# Altium PCB UPS.PcbDoc (part 2 of 2)
Units mm, origin at the board's own origin, x right, y up, seen from the top; angles counter-clockwise.
Board outline 100 x 65 mm, 4 copper layers (L1 (THT), L2 (MIXED), L3 (MIXED), L4 (SMD)), stack 0.568 mm thick; 149 components, 78 nets, 448 pads, 180 vias.
Unrouted connection lines stored in the file: 9.
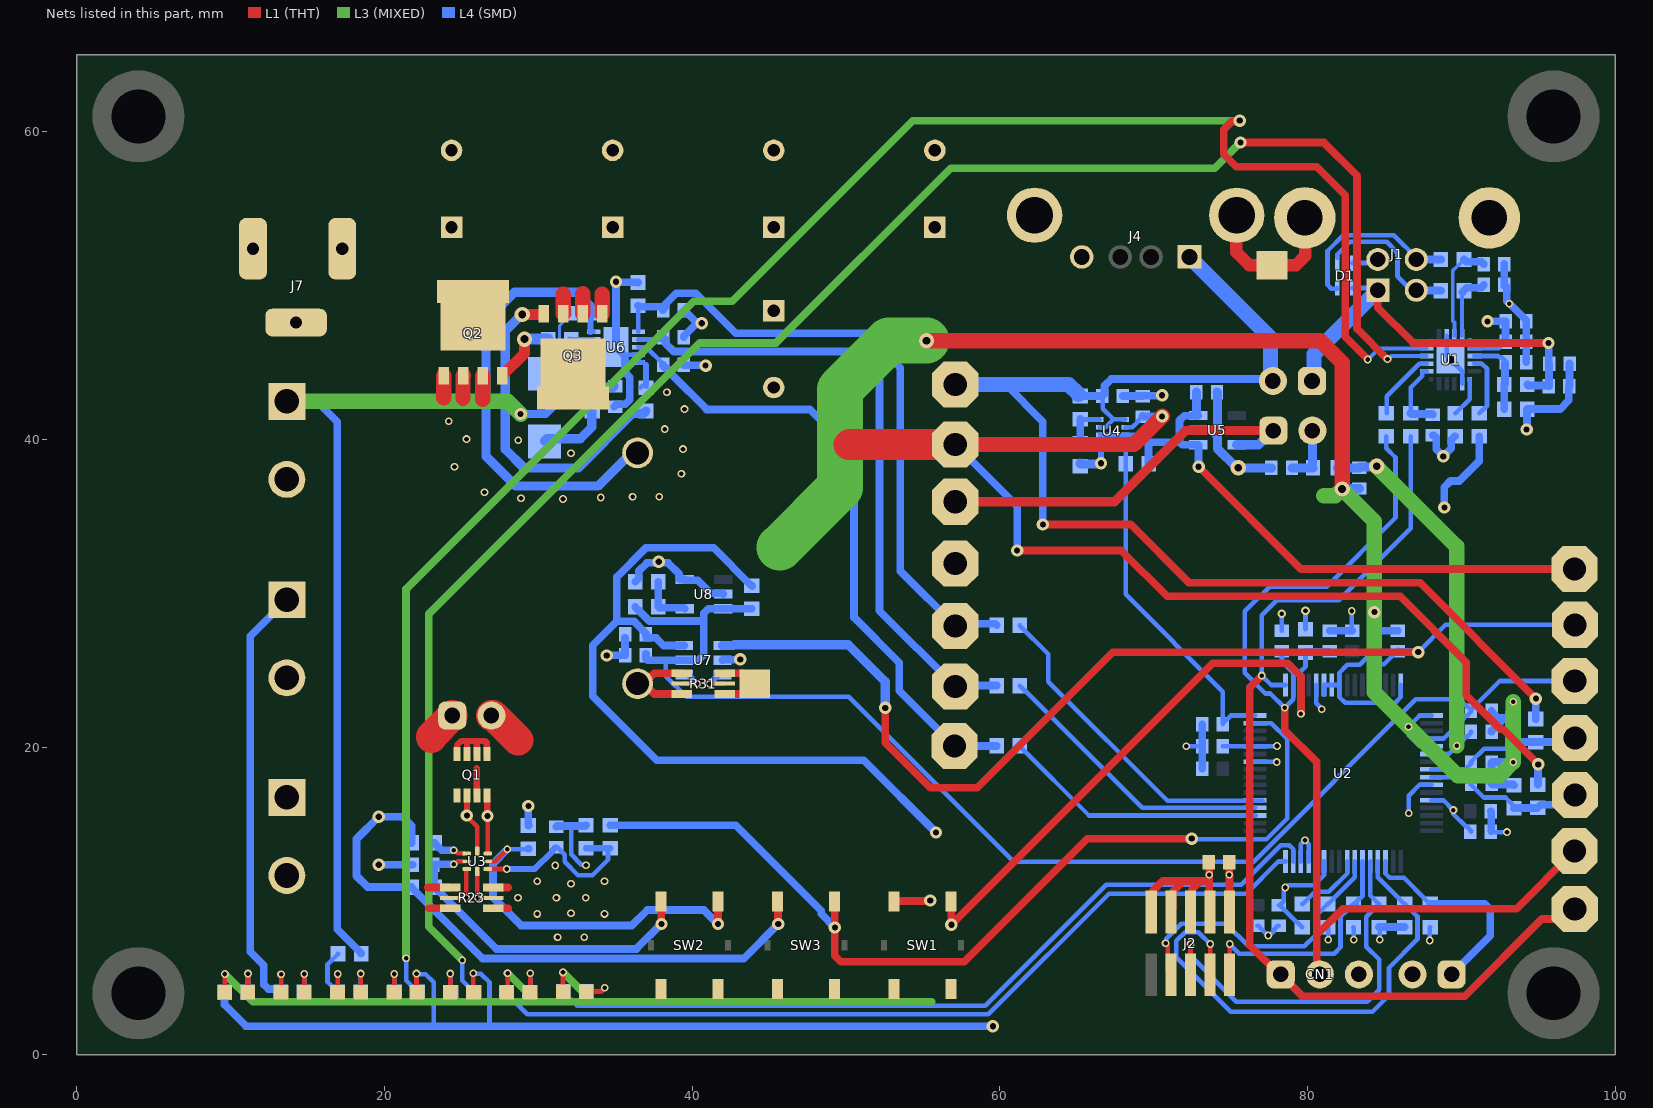
[diagram p4: the nets of this part, all layers, seen from the top]

## Via types
v1: diameter 0.5, hole 0.3, L1 (THT) to L4 (SMD), 84 vias
v2: diameter 0.5, hole 0.5, L1 (THT) to L4 (SMD), 49 vias
v3: diameter 0.8, hole 0.4, L1 (THT) to L4 (SMD), 39 vias
v4: diameter 1, hole 0.5, L1 (THT) to L4 (SMD), 6 vias
v5: diameter 0.56, hole 0.3, L1 (THT) to L4 (SMD), 2 vias

## Nets (pads, with @x,y where several pads share a name; then routed paths per layer and width w, separated by ;. In a path a pad name is that pad's centre, name@x,y a point inside that pad or via, vN(x,y) a via of type N, cw(c..) or ccw(c..) an arc to the next point about the centre after c; other vN are vias at no path point) (continued)
+3V3: C8.2 C9.1 C15.2 C16.2 C17.2 C18.2 C24.2 C41.1 D2.2 D3.2 J2.1 JP3.2 L1.1 R6.1 R11.2 R12.2 R13.2 R14.2 R15.2 R16.2 R17.2 R27.2 R39.1 U1.6 U1.7 U2.28 U2.43 U2.60 U7.6 | length 150.9
  L1 (THT) w0.3: v1(22.075,5.275) 22.075,4.088 D2.2@22.112,4.05 ; v1(25.775,5.3) 25.775,4.058 D3.2@25.783,4.05
  L1 (THT) w0.5: C18.2@74.92,12.525 74.925,12.52 v1(74.925,11.702) 74.935,11.692 J2.1@74.935,9.27
  L4 (SMD) w0.3: v1(22.075,5.275) 22.113,5.237 22.663,5.237 23.2,4.7 23.2,1.925 ; v1(25.775,5.3) 25.813,5.262 26.263,5.262 26.825,4.7 26.825,1.875 ; C17.2@74.495,20.05 U2.60@76.587,20.05 78,20.05 v1(78.021,20.071) ; C16.2@78.147,9.72 C16.2@78.201,9.72 ; R12.2@79.668,8.3 79.343,8.625 79.296,8.625 C16.2@78.201,9.72 ; R11.2@79.875,27.65 v5(79.875,28.875) ; U2.43@81.075,12.562 81.075,11.679 80.421,11.025 78.754,11.025 78.604,10.875 v1(78.55,10.875) 78.55,10.821 78.456,10.727 78.456,9.975 C16.2@78.201,9.72 ; R13.2@81.329,8.3 81.35,8.279 v1(81.35,7.475) ; R14.2@82.991,8.3 83,8.291 v1(83,7.475) ; R15.2@84.652,8.3 84.7,8.252 v1(84.7,7.475) ; v1(87.95,7.425) 87.95,8.275 R17.2@87.975,8.3 ; U2.28@88.063,16.55 88.842,16.55 v1(89.488,15.905) 89.488,15.651 90.318,14.82 90.375,14.82 90.63,14.565 C15.2@90.63,14.508 ; U1.6@90.55,46.425 90.6,46.375 90.6,45.975 U1.7@90.65,45.925 ; U1.7@90.85,45.925 92.429,45.925 92.605,46.101 C9.1@92.605,46.35
  L4 (SMD) w0.4: C41.1@36.975,27.08 C41.1@36.995,27.08
  L4 (SMD) w0.5: R27.2@9.6,4.05 9.6,3.25 11,1.85 v3(59.55,1.85) ; U7.6@39.475,26.6 38.15,26.6 37.645,27.105 37.15,27.105 36.995,27.26 C41.1@36.995,27.325 36.995,27.39 36.486,27.899 36.486,27.902 36.216,28.172 35.094,28.172 ; R39.1@43.9,30.475 R39.1@43.875,30.5 43.85,30.5 41.396,32.954 36.996,32.954 35.094,31.052 35.094,28.172 ; v3(55.85,14.45) 51.158,19.142 37.708,19.142 33.546,23.304 33.546,26.624 35.094,28.172 ; R15.2@84.652,8.3 R16.2@86.314,8.3 ; v3(88.9,35.575) 88.9,36.9 89.301,37.301 89.876,37.301 91.175,38.6 R6.1@91.175,40.2 ; v3(91.7,47.675) C8.2@92.88,47.675 C9.1@92.88,46.35
  L4 (SMD) w0.6: C24.2@78.995,38.15 L1.1@80.35,38.15 80.335,38.165 80.335,40.56 JP3.2@80.32,40.575 JP3.2@80.332,40.588
+3V3A: C14.2 C25.2 L1.2 U2.22 | length 26.1
  L3 (MIXED) w1: v4(84.5,38.25) 89.7,33.05 v1(89.7,20.075)
  L4 (SMD) w0.3: U2.22@88.063,19.55 89.175,19.55 v1(89.7,20.075) ; v1@89.707,20.068 90.31,20.672 90.375,20.672 90.63,20.927 C14.2@90.63,20.992
  L4 (SMD) w0.6: L1.2@81.95,38.15 C25.2@83.375,38.15 83.425,38.2 84.45,38.2 v4(84.5,38.25)
+5V: C26.2 C29.2 C30.2 C31.2 C32.2 C38.2 J4.1 J5.1 J7.1 JP4.2 Q2.3 R24.2 R26.2 R32.1 R40.2 TP5.1 U4.3 U4.5 U6.1 | length 147
  L1 (THT) w0.5: v3(62.8,34.475) 68.5,34.475 72.3,30.675 87.325,30.675 v3(94.85,23.15) ; J4.1@72.33,51.865 J4.1@72.33,52.32
  L3 (MIXED) w1: J5.1@13.65,42.48 28.02,42.48 v3(28.85,41.65)
  L4 (SMD) w0.3: U4.3@66.487,40.8 66.876,40.8 67.388,41.312 ; C26.2@66.655,42.825 66.695,42.785 66.695,42.005 67.388,41.312 ; U4.5@68.151,41.3 67.988,41.3 67.976,41.312 67.388,41.312
  L4 (SMD) w0.4: R32.1@33.5,43.325 33.5,45 U6.1@33.6,45
  L4 (SMD) w0.5: J5.1@13.65,42.48 15.6,42.48 16.925,41.155 16.925,8.15 18.475,6.6 R24.2@18.475,6.575 ; v3(28.85,41.65) 30.483,41.65 32.183,43.35 R32.1@33.5,43.35 ; 60.375,43.575 62.8,41.15 v3(62.8,34.475) ; R26.2@65.1,42.95 R26.2@65.225,42.825 C26.2@66.655,42.825 66.81,42.98 66.81,43.485 66.9,43.575 66.9,43.581 67.244,43.925 JP4.2@77.35,43.925 ; R40.2@94.85,21.825 v3(94.85,23.15)
  L4 (SMD) w0.6: R32.1@33.5,43.325 33.572,43.398 34.852,43.398 C38.2@34.925,43.47
  L4 (SMD) w1: TP5.1@57.1,43.575 60.375,43.575 64.475,43.575 R26.2@65.1,42.95 ; J4.1@72.33,51.865 75.855,48.34 77.596,46.599 77.596,44.159 JP4.2@77.755,44
AGND: C14.1 C20.1 C25.1 C39.1 C40.1 C41.2 C42.1 C43.1 C44.2 NT2.2 R43.1 R44.1 R45.1 U2.17 U2.21 U7.2 U8.2 U8.5 | length 113.1
  L1 (THT) w1: v4(55.23,46.425) 80.825,46.425 82.25,45 v4(82.25,36.775)
  L3 (MIXED) w1: NT2.2@81.05,36.35 81.825,36.35 v4(82.25,36.775) 84.35,34.675 84.35,23.548 v1(86.566,21.332) 89.773,18.125 92.475,18.125 v1(93.375,19.025) v1(93.375,22.95)
  L3 (MIXED) w3: 45.691,32.966 49.6,36.875 49.6,43.243 52.782,46.425 v4(55.23,46.425)
  L4 (SMD) w0.3: U2.21@88.063,20.05 87.284,20.05 86.604,20.73 86.604,21.294 v1(86.566,21.332) 87.284,22.05 U2.17@88.063,22.05 ; C42.1@91.97,18.975 C42.1@92.02,19.025
  L4 (SMD) w0.5: v3(34.45,25.95) 34.462,25.963 35.63,25.963 35.642,25.963 C44.2@35.655,25.975 ; C44.2@35.63,26.063 C41.2@35.63,27.1 ; R45.1@36.3,30.75 36.525,30.975 36.525,31.45 37.068,31.993 37.768,31.993 v3(37.825,32.05) 37.882,31.993 38.423,31.993 39.165,31.25 39.165,30.95 39.215,30.9 U8.5@39.515,30.9 ; U8.5@39.515,30.85 40.35,30.85 41.2,30 41.965,30 U8.2@42.015,29.95 ; U7.2@41.975,25.65 42.002,25.677 43.098,25.677 v3(43.125,25.704) ; v3(84.35,28.775) C20.1@84.35,27.57 C39.1@85.875,27.57 ; C42.1@91.97,18.975 C43.1@91.97,17.617 92.016,17.571 93.379,17.571 R44.1@93.425,17.525 ; C14.1@91.97,20.992 91.97,21.057 92.817,21.904 ; C40.1@91.97,22.35 91.97,22.285 92.351,21.904 92.817,21.904 ; C42.1@92.02,19.025 v1(93.375,19.025) ; v1(93.375,22.95) R43.1@93.375,21.825 93.296,21.904 92.817,21.904
  L4 (SMD) w0.6: v4(82.25,36.775) 82.267,36.793 83.357,36.793 C25.1@83.375,36.81
BOOT0: R12.1 U2.40 | length 4.5
  L4 (SMD) w0.3: R12.1@79.668,9.8 79.693,9.8 80.491,10.598 81.39,10.598 82.575,11.783 U2.40@82.575,12.562
BOOT1: JP1.1 R17.1 U2.35 | length 13.8
  L4 (SMD) w0.3: U2.35@85.075,12.562 85.075,11.783 85.358,11.5 86.275,11.5 87.625,10.15 87.625,10.125 R17.1@87.95,9.8
  L4 (SMD) w0.5: R17.1@87.95,9.8 R17.1@87.975,9.8 91.52,9.8 91.877,9.443 91.877,7.732 JP1.1@89.37,5.225
D+: C1.2 R1.1 U1.4 | length 6.7
  L4 (SMD) w0.254: U1.4@89.55,46.725 89.55,47.6 89.446,47.704 89.446,50.971 89.802,51.327 89.827,51.327 90.175,51.675 R1.1@90.175,51.7
  L4 (SMD) w0.5: R1.1@90.175,51.7 90.325,51.55 91.305,51.55 C1.2@91.455,51.4
D-: C2.2 R2.1 U1.5 | length 4.5
  L4 (SMD) w0.254: U1.5@90.05,46.725 90.05,49.55 R2.1@90.075,49.575
  L4 (SMD) w0.5: R2.1@90.075,49.575 90.362,49.863 91.3,49.863 91.455,50.018 C2.2@91.455,50.05
DGND: C1.1 C2.1 C3.1 C4.1 C5.1 C6.2 C7.1 C8.1 C9.2 C10.1 C11.1 C12.1 C13.1 C15.1 C16.1 C17.1 C18.1 C19.2 C23.1 C24.1 C26.1 C27.1 C28.1 CN1.3 D1.6 D4.1 D8.1 D9.1 J1.0 J1.4 J2.3 J2.5 J2.7 J2.9 JP1.2 NT1.2 NT2.1 R7.1 R10.1 R30.1 SW1.1 TP14.1 U1.3 U1.12 U1.21 U2.5 U2.26 U2.45 U2.46 U2.58 U4.1 U5.2 | length 133.7
  L1 (THT) w0.3: D4.1@9.6,4.05 9.625,4.075 v1(9.625,5.25) ; D8.1@27.954,4.05 28,4.096 v1(28,5.3) ; v1(31.6,5.35) 31.6,4.125 D9.1@31.625,4.1
  L1 (THT) w0.5: SW1.1@53.125,9.975 53.15,10 55.45,10 v3(55.475,10.025) ; J2.9@69.855,9.27 69.975,9.39 69.975,10.675 70.6,11.3 71.949,11.3 ; J2.7@71.125,9.27 71.245,9.39 71.245,10.596 71.949,11.3 ; J2.5@72.395,9.27 72.515,9.39 72.515,10.765 73.05,11.3 ; C18.1@73.58,12.525 73.622,12.483 v1(73.622,11.702) 73.622,11.3 ; J2.3@73.622,9.313 73.622,11.3 ; 71.949,11.3 73.05,11.3 ; 73.05,11.3 73.622,11.3
  L1 (THT) w0.8: NT1.2@78.2,51.325 79.25,51.325 79.85,51.925 79.85,54.375 J1.0@79.825,54.4
  L3 (MIXED) w0.5: v1(9.625,5.25) 11.425,3.45 29.85,3.45 ; v1(28,5.3) 29.85,3.45 ; v1(31.6,5.35) 33.5,3.45 ; 55.575,3.45 33.5,3.45 ; 29.85,3.45 33.5,3.45
  L4 (SMD) w0.3: v1(72.125,20.05) C17.1@73.155,20.05 ; U2.58@76.587,19.05 77.975,19.05 v1(78,19.025) ; C10.1@76.725,8.38 76.79,8.38 77.416,7.754 v1(77.45,7.754) ; v1@77.45,7.675 77.466,7.675 77.816,8.025 77.816,8.125 78.071,8.38 C16.1@78.136,8.38 ; C4.1@78.325,27.57 v5(78.325,28.675) ; U2.46@79.575,12.562 79.575,13.675 79.842,13.942 v1(79.842,13.95) ; v1@79.85,13.95 79.85,13.907 80.075,13.682 U2.45@80.075,12.562 ; U2.5@80.575,24.038 80.575,22.854 80.925,22.504 v1(80.925,22.45) ; C11.1@82.875,27.597 v1(82.875,28.85) ; D1.6@82.925,51.47 84.255,51.47 J1.4@84.3,51.425 ; v1(86.575,15.7) 86.575,16.841 87.284,17.55 U2.26@88.063,17.55 ; U1.3@89.05,46.725 89.05,45.425 v2(89.3,45.175) 90.05,44.425 U1.12@90.05,43.625 ; C15.1@91.92,14.5 91.945,14.475 v1(92.975,14.475)
  L4 (SMD) w0.4: U4.1@66.487,39.8 66.575,39.712 v3(66.575,38.45)
  L4 (SMD) w0.5: C26.1@67.995,42.825 67.997,42.823 69.297,42.823 C27.1@69.3,42.82 69.327,42.848 70.522,42.848 v3(70.55,42.875) ; C12.1@73.155,18.6 C17.1@73.155,20.05 C28.1@73.155,21.475 ; C19.2@81.453,27.57 C11.1@82.902,27.57 ; J1.4@84.3,51.425 J1.4@84.575,51.7 ; C3.1@88.15,40.28 88.215,40.28 88.37,40.125 88.37,39.355 v3(88.825,38.9) 89.351,39.426 89.351,39.975 89.576,40.2 R10.1@89.601,40.2 ; C13.1@91.92,15.825 91.945,15.8 C15.1@91.945,14.525 ; C2.1@92.795,49.985 C2.1@92.795,50.05 ; C1.1@92.795,51.4 C2.1@92.795,50.05 ; C7.1@94.22,45.025 C9.2@94.22,46.35 C8.1@94.22,47.675 94.22,47.74 93.662,48.298 93.662,48.301 93.138,48.825 v1(93.125,48.825) 92.95,49 92.95,49.895 C2.1@92.795,50.05 ; v3(94.25,40.65) 94.275,40.675 94.275,41.95 R7.1@94.3,41.975 96.425,41.975 96.992,42.542 96.992,43.422 C6.2@97.02,43.45 97.037,43.468 97.037,44.906 C5.1@97.055,44.923 C5.1@97.04,44.938
  L4 (SMD) w0.6: R30.1@65.225,38.425 65.238,38.412 66.537,38.412 v3(66.575,38.45) ; U5.2@72.9,40.6 73.798,40.6 74.15,40.249 ; C23.1@74.12,43.075 74.15,43.045 74.15,40.249 ; C24.1@77.655,38.15 v4(75.5,38.15) 75.396,38.15 74.15,39.396 74.15,40.249
"Gate EN": R36.1 U2.53 | length 21.6
  L4 (SMD) w0.3: R36.1@61.3,27.925 61.3,27.9 63.15,26.05 63.15,24.25 70.9,16.5 U2.53@77.079,16.5
"Gate High": R33.1 U2.52 | length 18.6
  L4 (SMD) w0.3: R33.1@61.3,24 61.3,23.975 61.625,23.65 61.65,23.65 69.25,16.05 U2.52@76.587,16.05
"Gate Low": R35.1 U2.51 | length 17.2
  L4 (SMD) w0.3: R35.1@61.3,20.05 65.8,15.55 U2.51@76.632,15.55
Gate_Common: C34.1 L2.1 Q2.2 Q3.3 U6.5 | length 34.3
  L1 (THT) w1: 23.845,42.7 Q2.2@23.845,44.15 ; 25.099,42.659 25.099,44.134 Q2.2@25.115,44.15 ; 26.385,42.6 Q2.2@26.385,44.15
  L4 (SMD) w0.3: U6.5@33.395,47 U6.5@33.6,47
  L4 (SMD) w0.4: U6.5@33.395,47 C34.1@33.395,48.025
  L4 (SMD) w0.6: C34.1@33.395,48.03 33.34,48.085 33.34,48.71 32.475,49.575 28.45,49.575 26.6,47.725 26.6,38.9 28.525,36.975 33.9,36.975 L2.1@36.05,39.125
  other v1: 31.6,36.125 28.875,36.175 34.05,36.225 36.125,36.275 37.85,36.275 26.5,36.575 39.3,37.775 24.55,38.225 32.125,39.1 39.4,39.375 28.7,39.95 25.325,40.025 38.225,40.675 24.175,41.175 39.5,41.975 38.358,43.067
Gate_High: Q2.1 R34.2 | length 4.5
  L1 (THT) w0.7: Q2.1@27.655,44.15 29.1,45.595 v4(29.1,46.525)
  L4 (SMD) w0.7: v4(29.1,46.525) 30.625,46.525 R34.2@30.65,46.5
Gate_Low: Q3.1 R37.2 | length 21.8
  L1 (THT) w0.7: v4(28.95,48.125) 30.295,48.125 Q3.1@30.345,48.175
  L4 (SMD) w0.6: v4(28.95,48.125) 28.927,48.125 27.846,47.044 27.846,39.367 29.065,38.148 32.573,38.148 36.114,41.689 36.839,41.689 R37.2@37,41.85
NetC3_2: C3.2 R4.1 U1.17 | length 4.8
  L4 (SMD) w0.3: R4.1@86.703,41.7 86.703,43.378 87.45,44.125 87.45,44.425 U1.17@87.75,44.425
  L4 (SMD) w0.5: R4.1@86.703,41.7 86.743,41.66 88.11,41.66 C3.2@88.15,41.62
NetC21_2: C21.2 R18.1 SW2.1 U3.2 | length 22.2
  L1 (THT) w0.3: v1(24.5,12.375) 24.554,12.375 24.766,12.587 U3.2@25.225,12.587
  L1 (THT) w0.5: SW2.1@37.975,9.975 37.987,9.963 37.987,8.513 v3(38,8.5)
  L4 (SMD) w0.5: v1(24.5,12.375) 24.487,12.388 23.325,12.388 23.287,12.35 C21.2@23.17,12.35 23.21,12.31 23.21,10.94 R18.1@23.25,10.9 23.25,10.875 23.475,10.65 23.5,10.65 27.273,6.877 36.377,6.877 v3(38,8.5)
NetC22_2: C22.2 R21.1 R22.2 U3.5 | length 12.2
  L1 (THT) w0.3: U3.5@26.7,12.075 v1(27.95,12.075)
  L4 (SMD) w0.3: C22.2@31.175,13.48 31.24,13.48 31.71,13.01 31.71,12.54 32.579,11.671 33.521,11.671 34.526,12.676 34.526,13.276 R21.1@34.675,13.425
  L4 (SMD) w0.4: v1@27.977,12.075 29.77,12.075 30.905,13.21 30.905,13.275 31.11,13.48 C22.2@31.175,13.48 ; R22.2@33.1,13.425 R21.1@34.675,13.425
NetC34_2: C34.2 D7.1 U6.3 | length 7.8
  L4 (SMD) w0.2: D7.1@31.1,44.975 31.35,45.225 31.375,45.25 31.375,47.4 31.8,47.825 31.8,47.83 32.045,48.075 32.05,48.075 C34.2@32.05,48.5
  L4 (SMD) w0.3: 31.992,44.975 33.017,46 U6.3@33.6,46
  L4 (SMD) w0.4: D7.1@30.4,44.275 31.1,44.975 31.992,44.975
NetC35_2: C35.2 R33.2 TP7.1 U6.7 | length 41.8
  L4 (SMD) w0.3: U6.7@36.5,46.5 C35.2@38.1,46.5
  L4 (SMD) w0.5: C35.2@38.105,46.65 38.26,46.495 38.26,46.265 38.808,45.717 50.658,45.717 52.175,44.2 52.175,28.875 TP7.1@57.1,23.95 57.15,24 R33.2@59.8,24
NetC36_2: C36.2 R35.2 TP8.1 U6.8 | length 41.5
  L4 (SMD) w0.3: U6.8@36.5,46 37.02,46 38.105,44.915 C36.2@38.105,44.85
  L4 (SMD) w0.5: C36.2@38.105,44.85 38.105,44.785 38.26,44.63 38.37,44.63 38.663,44.337 38.663,44.224 40.937,41.95 47.65,41.95 50.525,39.075 50.525,28.425 53.464,25.486 53.464,23.661 TP8.1@57.05,20.075 R35.2@59.8,20.075
NetC37_2: C37.2 R36.2 R38.1 TP9.1 U6.6 | length 42.2
  L4 (SMD) w0.3: U6.6@36.5,47 R38.1@36.5,48.4
  L4 (SMD) w0.5: R38.1@36.475,48.7 36.555,48.62 37.95,48.62 C37.2@38.105,48.465 ; C37.2@38.105,48.4 C37.2@38.105,48.465 ; R36.2@59.8,27.925 59.7,28.025 57.25,28.025 TP9.1@57.1,27.875 53.525,31.45 53.525,44.65 51.275,46.9 42.825,46.9 40.225,49.5 38.975,49.5 38.26,48.785 38.26,48.62 C37.2@38.105,48.465
NetD1_3: D1.3 J1.3 R1.2 | length 11.4
  L4 (SMD) w0.3: D1.3@81.925,49.845 81.925,49.8 81.55,49.8 81.3,50.05 81.3,52.25 82.331,53.281 85.619,53.281 J1.3@87.137,51.763
  L4 (SMD) w0.5: J1.3@87.137,51.763 87.2,51.7 R1.2@88.675,51.7
NetD1_4: D1.4 J1.2 R2.2 | length 9.4
  L4 (SMD) w0.3: D1.4@81.925,51.8 81.925,52.025 82.754,52.854 85.146,52.854 85.85,52.15 85.85,50.598 J1.2@86.9,49.548
  L4 (SMD) w0.5: J1.2@87.1,49.675 87.112,49.688 88.662,49.688 R2.2@88.675,49.675
NetD2_1: D2.1 R8.2 | length 2.4
  L1 (THT) w0.3: D2.1@20.612,4.05 20.625,4.063 v1(20.625,5.25)
  L4 (SMD) w0.3: v1(20.625,5.25) 20.625,4.075 R8.2@20.65,4.05
NetD3_1: D3.1 R9.2 | length 2.5
  L1 (THT) w0.3: v1(24.275,5.275) 24.275,4.058 D3.1@24.283,4.05
  L4 (SMD) w0.3: v1(24.275,5.275) 24.275,4.075 R9.2@24.325,4.025
NetD4_2: D4.2 R27.1 | length 2.5
  L1 (THT) w0.3: D4.2@11.1,4.05 11.125,4.075 v1(11.125,5.275)
  L4 (SMD) w0.3: R27.1@11.1,4.05 11.125,4.075 v1(11.125,5.275)
NetD5_2: D5.2 R28.1 | length 2.4
  L1 (THT) w0.3: D5.2@14.771,4.05 14.775,4.054 v1(14.775,5.25)
  L4 (SMD) w0.3: R28.1@14.75,4.05 14.775,4.075 v1(14.775,5.25)
NetD6_2: D6.2 R29.1 | length 2.5
  L1 (THT) w0.3: D6.2@18.442,4.05 18.45,4.058 v1(18.45,5.275)
  L4 (SMD) w0.3: R29.1@18.45,4.05 v1(18.45,5.275)
NetD7_2: D7.2 R32.2 | length 4.5
  L4 (SMD) w0.6: D7.2@30.4,39.9 30.55,40.05 32.723,40.05 33.475,40.802 R32.2@33.475,41.825
NetD8_2: D8.2 R46.1 | length 2.6
  L1 (THT) w0.3: D8.2@29.454,4.05 29.475,4.071 v1(29.475,5.3)
  L4 (SMD) w0.3: R46.1@29.425,4 29.475,4.05 v1(29.475,5.3)
NetD9_2: D9.2 R47.1 | length 2.6
  L1 (THT) w0.3: D9.2@33.125,4.1 34.05,4.1 34.3,4.35 v1(34.325,4.35)
  L4 (SMD) w0.3: R47.1@33.125,4.1 34.05,4.1 34.3,4.35 v1(34.325,4.35)
NetJP3_1: JP3.1 TP4.1 U5.5 | length 25.8
  L1 (THT) w0.6: TP4.1@57.1,35.95 67.45,35.95 72.075,40.575 JP3.1@77.78,40.575 JP3.1@78.057,40.298
  L4 (SMD) w0.6: U5.5@75.4,39.65 76.816,39.65 77.741,40.575 JP3.1@77.78,40.575
NetL2_2: L2.2 R31.1 | length 5.9
  L1 (THT) w0.5: L2.2@36.45,24.125 L2.2@36.856,24.125 ; R31.1@39.315,23.45 37.531,23.45 L2.2@36.856,24.125 ; R31.1@39.315,24.8 38.375,24.8 37.531,24.8 L2.2@36.856,24.125
NetNT3_1: NT3.1 R31.2 | length 4
  L1 (THT) w0.5: R31.2@42.115,23.45 43.325,23.45 43.575,23.7 NT3.1@43.575,24.125 43.575,24.55 43.325,24.8 42.9,24.8 R31.2@42.115,24.8
NetQ1_2: Q1.2 U3.8 | length 3.7
  L1 (THT) w0.3: v3(25.35,15.55) 25.35,15.486 26.025,14.811 U3.8@26.025,13.225
  L1 (THT) w0.4: v3(25.35,15.55) Q1.2@25.35,16.65
NetQ1_4: Q1.4 U3.7 | length 3.6
  L1 (THT) w0.3: U3.7@26.7,13.1 v3(26.7,15.525)
  L1 (THT) w0.4: Q1.4@26.647,16.65 26.675,16.622 26.675,15.55 v3(26.7,15.525)
NetQ1_5: Q1.5 Q1.6 Q1.7 Q1.8 | length 5.2
  L1 (THT) w0.4: Q1.8@24.7,19.55 24.7,20.107 24.993,20.4 25.496,20.4 ; Q1.7@25.35,19.55 25.35,20.254 25.496,20.4 ; Q1.6@26,19.55 26,20.4 ; Q1.5@26.65,19.55 26.65,20.288 26.538,20.4 26,20.4 ; 25.496,20.4 26,20.4
NetR5_1: R5.1 U1.18 | length 4.6
  L4 (SMD) w0.3: R5.1@85.15,41.7 85.15,42.817 87.258,44.925 U1.18@87.75,44.925
NetR6_2: R6.2 U1.9 | length 4.1
  L4 (SMD) w0.3: U1.9@90.85,44.925 91.342,44.925 91.675,44.592 91.675,42.2 R6.2@91.175,41.7
NetR8_1: R8.1 U1.20 | length 120.7
  L1 (THT) w0.5: v3(75.6,60.725) 75.543,60.668 75.068,60.668 74.55,60.15 74.55,58.55 75.375,57.725 80.6,57.725 82.45,55.875 82.45,46.675 v1(83.925,45.2)
  L3 (MIXED) w0.5: v1(21.4,6.275) 21.4,30.275 40.1,48.975 42.598,48.975 54.348,60.725 v3(75.6,60.725)
  L4 (SMD) w0.254: v1(83.925,45.2) 84.65,45.925 U1.20@87.75,45.925
  L4 (SMD) w0.3: v1(21.4,6.275) 21.4,4.825 22.15,4.075 R8.1@22.15,4.05
NetR9_1: R9.1 U1.19 | length 115.2
  L1 (THT) w0.5: v3(75.64,59.306) 81.069,59.306 83.225,57.15 83.225,47.2 v1(85.2,45.225)
  L3 (MIXED) w0.5: v1(25.05,6.15) 22.875,8.325 22.875,28.65 40.5,46.275 45.45,46.275 56.8,57.625 73.959,57.625 v3(75.64,59.306)
  L4 (SMD) w0.254: v1(85.2,45.225) 85.267,45.225 85.467,45.425 U1.19@87.75,45.425
  L4 (SMD) w0.3: v1(25.05,6.15) 25.05,4.825 25.825,4.05 R9.1@25.825,4.025
NetR10_2: R10.2 U1.11 | length 2.6
  L4 (SMD) w0.3: R10.2@89.601,41.7 89.626,41.7 90.55,42.624 U1.11@90.55,43.925
NetR19_1: R19.1 U3.1 | length 2.3
  L1 (THT) w0.3: v1(24.5,13.3) 24.554,13.3 24.754,13.1 U3.1@25.225,13.1
  L4 (SMD) w0.5: R19.1@23.25,13.775 23.25,13.75 23.475,13.525 23.5,13.525 23.725,13.3 v1(24.5,13.3)
NetR20_1: R20.1 SW2.2 U3.6 | length 24.2
  L1 (THT) w0.3: U3.6@26.7,12.575 27.2,12.575 v1(27.975,13.35)
  L1 (THT) w0.5: v3(41.675,8.5) SW2.2@41.675,9.975
  L4 (SMD) w0.3: v1(27.975,13.35) 29.305,13.35 R20.1@29.355,13.4
  L4 (SMD) w0.5: v1(27.975,13.35) 27.05,12.425 27.05,10.225 28.875,8.4 36.075,8.4 37.079,9.404 40.771,9.404 v3(41.675,8.5) ; R20.1@29.355,13.4 R20.1@29.38,13.4
NetR23_3: R23.3 U3.3 | length 2.4
  L1 (THT) w0.3: R23.3@24.8,10.2 v1(25.3,10.2) 25.3,12.05 25.325,12.075 U3.3@25.35,12.075
NetR23_4: R23.4 U3.4 | length 2.2
  L1 (THT) w0.3: U3.4@26.025,11.925 26.025,10.229 v1(26.054,10.2) R23.4@26.55,10.2
NetR24_1: R24.1 R29.2 | length 3.1
  L4 (SMD) w0.3: R29.2@16.95,4.05 16.95,4.075 16.296,4.729 16.296,5.871 16.975,6.55 R24.1@16.975,6.575
NetR26_1: R26.1 R30.2 U4.4 | length 2.7
  L4 (SMD) w0.3: R26.1@65.225,41.375 65.3,41.3 U4.4@66.487,41.3
  L4 (SMD) w0.5: R30.2@65.225,39.95 R26.1@65.225,41.325
NetR34_1: R34.1 U6.4 | length 1.6
  L4 (SMD) w0.3: R34.1@32.025,46.55 32.075,46.5 U6.4@33.6,46.5
NetR37_1: R37.1 U6.10 | length 2.1
  L4 (SMD) w0.3: U6.10@36.5,45 36.824,45 37,44.824 ; R37.1@36.65,43.375 R37.1@36.75,43.475
  L4 (SMD) w0.4: R37.1@37,43.465 37,44.824
NetR42_1: R42.1 R45.2 U8.4 | length 3.4
  L4 (SMD) w0.5: R45.2@37.8,30.75 R42.1@37.8,29.125 37.875,29.05 39.465,29.05 U8.4@39.515,29
NetR46_2: R46.2 U2.48 | length 55.4
  L4 (SMD) w0.3: R46.2@27.925,4 27.925,3.975 29.275,2.625 59.25,2.625 67.1,10.475 76.025,10.475 78.112,12.562 U2.48@78.575,12.562
NetR47_2: R47.2 U2.47 | length 53.1
  L4 (SMD) w0.3: R47.2@31.625,4.1 31.625,4.075 32.525,3.175 59.046,3.175 66.919,11.048 75.698,11.048 78.275,13.625 78.825,13.625 79.075,13.375 U2.47@79.075,12.562
"Path Status": C28.2 R25.2 U2.64 U4.8 | length 23.3
  L4 (SMD) w0.3: U4.8@68.163,39.8 68.175,39.8 R25.2@68.175,38.4 ; R25.2@68.175,38.425 68.175,29.925 74.495,23.605 C28.2@74.495,21.54 ; C28.2@74.495,21.475 C28.2@74.495,21.54 ; U2.64@76.587,22.05 75.005,22.05 C28.2@74.495,21.54
PGND: C22.1 C29.1 C30.1 C31.1 C32.1 C33.1 C35.1 C36.1 C37.1 C38.1 D5.1 D6.1 J4.4 J4.5 J5.2 J6.2 J7.2 J7.3 NT1.1 Q3.2 R22.1 R23.2 R38.2 U6.9 U6.11 | length 33.4
  L1 (THT) w0.3: D5.1@13.271,4.05 13.275,4.054 v1(13.275,5.225) ; D6.1@16.942,4.05 16.95,4.058 v1(16.95,5.25)
  L1 (THT) w0.5: R23.2@27.075,9.525 28.025,9.525 ; R23.2@27.075,10.875 28.025,10.875
  L1 (THT) w0.8: J4.5@75.4,54.575 75.375,54.55 75.375,52.175 76.225,51.325 NT1.1@77.2,51.325
  L1 (THT) w1: Q3.2@31.615,48.175 31.615,49.45 ; Q3.2@32.885,48.175 32.885,49.475 ; Q3.2@34.155,48.175 34.155,49.45
  L4 (SMD) w0.3: 32.137,14.873 32.137,13.021 32.795,12.363 33.062,12.363 v1(33.1,12.325) ; U6.11@35.672,45.5 U6.9@36.5,45.5
  L4 (SMD) w0.5: C22.1@31.175,14.82 31.227,14.873 32.137,14.873 33.047,14.873 R22.1@33.1,14.925 ; C38.1@34.925,42.13 35.08,42.285 35.657,42.285 35.95,42.578 35.95,44.05 35.618,44.382 35.618,45.432 U6.11@35.05,46 v3(35.05,50.25) 35.075,50.225 36.45,50.225 R38.2@36.475,50.2 ; C36.1@39.445,44.85 39.47,44.825 40.85,44.825 v3(40.875,44.8) ; C35.1@39.445,46.65 39.445,46.715 40.223,47.493 40.394,47.493 40.568,47.493 v3(40.625,47.55) ; C37.1@39.49,48.29 39.6,48.18 39.71,48.18 40.236,47.654
  other v1: 31.25,7.646 32.975,7.646 29.925,9.154 34.3,9.154 32.125,9.2 28.675,10.2 31.175,10.2 33.075,10.2 32.125,11.125 29.925,11.275 34.3,11.275 31.1,12.305
"Read 5V": C42.2 R40.1 R43.2 TP12.1 U2.24 | length 10.3
  L4 (SMD) w0.3: U2.24@88.063,18.55 90.27,18.55 90.63,18.91 C42.2@90.63,18.975 90.63,19.04 91.49,19.9 92.925,19.9 93.35,20.325 R43.2@93.375,20.325
  L4 (SMD) w0.5: R43.2@93.375,20.325 R40.1@94.85,20.325 97.14,20.325 TP12.1@97.4,20.585
"Read Battery": C43.2 R41.1 R44.2 TP13.1 U2.25 | length 10.3
  L4 (SMD) w0.3: U2.25@88.063,18.05 90.262,18.05 90.63,17.682 C43.2@90.63,17.617 ; C43.2@90.63,17.552 91.457,16.725 92.875,16.725 R44.2@93.325,16.275
  L4 (SMD) w0.5: R44.2@93.425,16.025 93.437,16.038 R41.1@94.937,16.038 ; R41.1@94.975,16.05 95.169,16.244 96.754,16.244 TP13.1@97.4,16.89
"Read Current": C39.2 TP10.1 U2.12 U7.1 | length 70.5
  L1 (THT) w0.5: v3(52.55,22.55) 52.55,20.275 55.475,17.35 58.525,17.35 67.35,26.175 v3(87.2,26.175)
  L4 (SMD) w0.3: U2.12@84.075,24.038 84.075,24.817 84.654,25.396 84.976,25.396 85.81,26.23 C39.2@85.875,26.23 ; v3(87.2,26.175) 88.975,27.95 TP10.1@97.4,27.95
  L4 (SMD) w0.5: C39.2@85.875,26.23 85.902,26.203 87.172,26.203 v3(87.2,26.175)
  L4 (SMD) w0.6: U7.1@41.975,26.6 42.672,26.6 42.73,26.658 50.142,26.658 52.55,24.25 v3(52.55,22.55)
SERIAL_RX: C4.2 CN1.2 R5.2 TP2.1 U2.2 | length 66.9
  L1 (THT) w0.5: v1(78.525,22.55) 78.525,21.1 80.596,19.029 80.596,7.787 ; CN1.2@80.8,5.225 80.596,5.429 80.596,5.985 80.596,7.787 ; TP2.1@97.35,13.25 93.6,9.5 82.309,9.5 80.596,7.787
  L4 (SMD) w0.3: C4.2@78.325,26.23 78.341,26.214 78.341,25.551 79.075,24.817 79.075,23.1 v1(78.525,22.55) 77.591,23.484 77.266,23.484 75.925,24.825 75.925,28.825 77.536,30.436 81.261,30.436 85.725,34.9 85.725,38.825 85.125,39.425 R5.2@85.125,40.2
SERIAL_TX: CN1.1 R4.2 TP1.1 U2.1 | length 66.4
  L1 (THT) w0.5: v1(77.025,24.65) 76.25,23.875 76.25,7.123 78.148,5.225 CN1.1@78.26,5.225 79.678,3.807 90.225,3.807 95.247,8.829 96.729,8.829 TP1.1@97.375,9.475
  L4 (SMD) w0.3: U2.1@78.575,24.038 77.637,24.038 v1(77.025,24.65) 77.025,28.575 78.009,29.559 82.034,29.559 86.703,34.228 R4.2@86.703,40.2
"System Reset": R21.2 SW3.2 U2.63 | length 62.2
  L1 (THT) w0.5: SW3.2@49.25,9.975 49.262,9.963 49.262,8.488 49.275,8.475 49.275,6.425 49.65,6.05 57.675,6.05 65.675,14.05 v3(72.475,14.05)
  L4 (SMD) w0.3: v3(72.475,14.05) 72.507,14.018 77.334,14.018 78.675,15.359 78.675,20.525 77.65,21.55 U2.63@76.587,21.55
  L4 (SMD) w0.5: R21.2@34.675,14.925 42.825,14.925 48.387,9.363 48.387,9.159 v3(49.275,8.271)
TCK: J2.4 R16.1 U2.36 | length 32.1
  L1 (THT) w0.3: J2.4@73.665,5.2 73.67,5.205 73.67,7.195 v1(73.675,7.2)
  L4 (SMD) w0.3: v1(73.675,7.2) 72.9,7.975 72.05,7.975 71.475,7.4 71.475,6.35 75.025,2.8 84.225,2.8 85.3,3.875 85.3,5.65 87.15,7.5 87.15,8.989 86.339,9.8 R16.1@86.314,9.8 86.289,9.8 85.964,10.125 85.964,10.136 84.575,11.525 U2.36@84.575,12.562
TDI: J2.8 R13.1 U2.39 | length 19.4
  L1 (THT) w0.3: v1(70.775,7.25) 70.775,7.196 70.926,7.045 70.926,5.441 70.905,5.42 J2.8@71.125,5.2
  L4 (SMD) w0.3: v1(70.775,7.25) 70.813,7.288 70.813,7.538 71.8,8.525 74.7,8.525 76.175,7.05 79.8,7.05 80.5,7.75 80.5,8.996 81.304,9.8 R13.1@81.329,9.8 ; R13.1@81.354,9.8 81.679,10.125 81.679,10.15 83.075,11.546 U2.39@83.075,12.562
TDO: J2.6 R15.1 U2.37 | length 25.9
  L1 (THT) w0.3: J2.6@72.395,5.2 72.397,5.203 72.397,7.198 v1(72.4,7.2)
  L4 (SMD) w0.3: v1(72.4,7.2) 72.4,6.425 75.375,3.45 83.875,3.45 84.658,4.233 84.658,6.192 83.825,7.025 83.825,8.973 84.302,9.45 84.302,9.475 R15.1@84.627,9.8 ; U2.37@84.075,12.562 84.075,10.352 R15.1@84.627,9.8 ; R15.1@84.652,9.8 R15.1@84.627,9.8
TMS: J2.2 R14.1 U2.38 | length 15.9
  L1 (THT) w0.3: J2.2@74.935,5.2 74.942,5.208 74.942,7.193 v1(74.95,7.2)
  L4 (SMD) w0.3: v1(74.95,7.2) 74.95,7.175 75.552,6.573 81.748,6.573 82.15,6.975 82.15,8.959 82.641,9.45 82.641,9.475 82.966,9.8 83.016,9.8 R14.1@83.103,9.713 ; R14.1@83.191,9.8 83.191,9.975 83.341,10.125 83.399,10.125 83.575,10.301 U2.38@83.575,12.562
Vbatt+: J3.1 JP2.1 Q1.1 R18.2 R19.2 SW3.1 | length 41.7
  L1 (THT) w0.5: v3@45.575,8.525 SW3.1@45.575,9.95
  L1 (THT) w0.51: SW3.1@45.55,9.975 SW3.1@45.575,9.95 ; v3@45.575,8.525 v3(45.6,8.5)
  L1 (THT) w2: 23.05,20.625 23.05,20.695 JP2.1@24.405,22.05
  L4 (SMD) w0.5: R18.2@21.75,10.9 21.75,10.875 26.375,6.25 43.35,6.25 v3(45.6,8.5)
  L4 (SMD) w0.51: v3(19.625,15.475) 18.175,14.025 18.175,11.625 18.9,10.9 R18.2@21.75,10.9 ; v3@19.975,15.475 21.15,15.475 21.75,14.875 R19.2@21.75,13.775
Vbatt-: C21.1 J3.2 R23.1 | length 5.1
  L1 (THT) w0.5: 22.825,10.875 R23.1@24.275,10.875 ; 22.875,9.525 R23.1@24.275,9.525
  L4 (SMD) w0.5: v3(19.625,12.35) C21.1@21.83,12.35
Vbus: C7.2 R3.1 R7.2 U1.8 | length 5.3
  L4 (SMD) w0.3: U1.8@90.85,45.425 92.4,45.425 92.48,45.345 92.625,45.345 92.84,45.13 C7.2@92.84,44.985
  L4 (SMD) w0.5: R7.2@92.8,41.975 R3.1@92.8,43.575 92.84,43.615 C7.2@92.84,44.985
Vim: R31.3 U7.4 | length 1.8
  L1 (THT) w0.3: R31.3@39.315,24.125 39.316,24.126 v1(40.325,24.125)
  L4 (SMD) w0.4: U7.4@39.85,24.725 39.85,24.6 v1(40.325,24.125)
Vip: R31.4 U7.3 | length 1.8
  L1 (THT) w0.3: v1(41.125,24.125) 42.114,24.125 R31.4@42.115,24.125
  L4 (SMD) w0.4: v1(41.125,24.125) 41.6,24.6 U7.3@41.6,24.725
Vpack: C27.2 C33.2 J6.1 JP2.2 NT3.2 Q1.3 R20.2 R28.2 R41.2 TP6.1 U4.6 | length 107.8
  L1 (THT) w0.4: Q1.3@26,16.85 26,18.625
  L1 (THT) w0.5: v3(61.125,32.775) 67.9,32.775 70.875,29.8 86.025,29.8 90.325,25.5 90.325,23.375 92.546,21.154 92.721,21.154 v3(95,18.875)
  L1 (THT) w1: TP6.1@57.1,39.675 68.725,39.675 v3(70.55,41.5)
  L1 (THT) w2: JP2.2@26.945,22.05 27.075,22.05 28.675,20.45 ; 50.2,39.65 50.225,39.675 TP6.1@57.1,39.675
  L4 (SMD) w0.3: U4.6@68.163,40.8 68.62,40.8 68.98,41.16 68.98,41.225 C27.2@69.28,41.525
  L4 (SMD) w0.5: R28.2@13.25,4.05 13.25,4.054 13.025,4.279 12.443,4.279 12.15,4.571 12.15,5.825 11.275,6.7 11.275,27.205 J6.1@13.65,29.58 ; v3(29.35,16.175) 29.352,16.173 29.352,14.903 R20.2@29.355,14.9 ; TP6.1@57.1,39.675 61.125,35.65 v3(61.125,32.775) ; C27.2@69.28,41.525 69.315,41.49 70.54,41.49 v3(70.55,41.5) ; R41.2@94.975,17.55 94.987,17.563 94.987,18.863 v3(95,18.875)
Vref: C40.2 C44.1 R39.2 R42.2 TP11.1 U2.20 U7.5 U8.3 | length 89
  L4 (SMD) w0.3: 38.29,25.65 38.29,24.618 39.633,23.275 50.175,23.275 60.9,12.55 76.5,12.55 87.05,23.1 89.88,23.1 90.31,22.67 90.375,22.67 C40.2@90.63,22.415 ; U2.20@88.063,20.55 88.842,20.55 90.322,22.03 90.375,22.03 C40.2@90.63,22.285 ; C40.2@90.63,22.35 C40.2@90.63,22.415 ; TP11.1@97.375,24.3 92.515,24.3 C40.2@90.63,22.415
  L4 (SMD) w0.5: R42.2@36.3,29.125 36.3,29.1 36.525,28.875 36.542,28.875 37.22,28.197 40.75,28.197 ; C44.1@36.995,26.075 36.995,25.76 37.105,25.65 38.29,25.65 U7.5@39.475,25.65 39.48,25.655 40.407,25.655 40.75,25.998 40.75,28.197 ; R39.2@43.875,29 U8.3@42.015,29 41.043,29 40.75,28.707 40.75,28.197
VREFHI: C20.2 U2.6 U2.7 U2.8 U2.16 | length 11.1
  L4 (SMD) w0.3: U2.6@81.075,23.451 U2.6@81.075,24.038 U2.7@81.575,24.038 U2.8@82.075,24.038 ; C20.2@84.35,26.23 84.285,26.23 83.396,25.341 82.599,25.341 82.075,24.817 U2.8@82.075,24.038 ; U2.16@86.075,24.038 86.075,23.259 85.701,22.884 82.449,22.884 82.075,23.259 U2.8@82.075,24.038
Vswitch: C23.2 R25.1 TP3.1 U4.2 U4.7 U5.1 U5.3 | length 41
  L1 (THT) w0.5: v3(72.925,38.225) 79.575,31.575 TP3.1@97.35,31.575
  L4 (SMD) w0.3: U4.2@66.487,40.3 U4.7@68.163,40.3 69.045,40.3
  L4 (SMD) w0.5: 69.045,40.3 69.669,39.676 ; R25.1@69.675,38.425 69.669,38.431 69.669,39.676 ; U5.3@72.9,41.55 72.78,41.55 71.999,41.55 71.681,41.232 71.681,39.825 ; v3(72.925,38.225) 72.912,38.238 72.912,39.638 U5.1@72.9,39.65 71.856,39.65 71.681,39.825 ; 69.669,39.676 69.819,39.825 71.681,39.825
  L4 (SMD) w0.6: U5.3@72.78,41.55 C23.2@72.78,43.075
Vusb: C5.2 C6.1 D1.1 J1.1 JP4.1 R3.2 | length 26.6
  L1 (THT) w0.5: J1.1@84.575,49.7 84.575,48.566 86.866,46.275 v3(95.675,46.275)
  L4 (SMD) w0.3: D1.1@82.925,49.845 J1.1@84.575,49.845
  L4 (SMD) w0.5: R3.2@94.3,43.575 94.362,43.513 95.617,43.513 C6.1@95.68,43.45 95.697,43.468 95.697,44.906 C5.2@95.715,44.923 95.695,44.943 95.695,46.255 v3(95.675,46.275)
  L4 (SMD) w1: JP4.1@80.295,44 80.426,44.131 80.426,45.551 J1.1@84.575,49.7
XRSN: C19.1 R11.1 SW1.2 U2.3 | length 39.7
  L1 (THT) w0.5: SW1.2@56.825,9.975 56.837,9.963 56.837,8.463 v3(56.85,8.45) 73.85,25.45 78.725,25.45 79.575,24.6 v1(79.575,22.175)
  L4 (SMD) w0.3: v1(79.575,22.175) 79.575,24.921 79.875,25.221 R11.1@79.875,26.15
  L4 (SMD) w0.5: R11.1@79.915,26.19 C19.1@81.413,26.19
pads on no net: D1.2 D1.5 H1.H1 H2.H2 H3.H3 H4.H4 J2.10 J4.2 J4.3 SW1.3 SW2.3 SW3.3 U1.1 U1.2 U1.10 U1.13 U1.14 U1.15 U1.16 U2.9 U2.10 U2.11 U2.13 U2.14 U2.15 U2.18 U2.19 U2.23 U2.29 U2.30 U2.31 U2.32 U2.33 U2.34 U2.41 U2.42 U2.49 U2.50 U2.54 U2.55 U2.56 U2.57 U2.61 U2.62 U5.4 U6.2 U8.1
copper on no net:
  other v2: 4,1.625 96,1.625 2.812,1.943 5.187,1.943 94.812,1.943 97.187,1.943 1.943,2.813 6.057,2.813 93.943,2.813 98.057,2.813 1.625,4 6.375,4 93.625,4 98.375,4 1.943,5.188 6.057,5.188 93.943,5.188 98.057,5.188 2.812,6.057 5.187,6.057 94.812,6.057 97.187,6.057 4,6.375 96,6.375 4,58.625 96,58.625 2.812,58.943 5.187,58.943 94.812,58.943 97.187,58.943 1.943,59.813 6.057,59.813 93.943,59.813 98.057,59.813 1.625,61 6.375,61 93.625,61 98.375,61 1.943,62.188 6.057,62.188 93.943,62.188 98.057,62.188 2.812,63.057 5.187,63.057 94.812,63.057 97.187,63.057 4,63.375 96,63.375

## Polygon pours and split planes (outlines as drawn)
Gate_Common on L1 (THT) "GATE_COMMON_L01_P004" (solid, pour order 4): 23.325,43.325 29.15,43.325 30.125,46.55 37.925,46.55 40.317,44.158 40.317,37.367 38.418,35.468 26.075,35.475 23.325,38.225
+5V on L1 (THT) "+5V_L01_P016" (solid, pour order 16): 62.35,56.55 66.638,53.075 70.35,53.125 70.875,52.6 70.875,51.2 71.589,50.486 72.989,50.486 73.825,51.416 73.825,57.35 67.175,64 62.375,64
+5V on L1 (THT) "+5V_L01_P002" (solid, pour order 2): 63.575,62.8 63.575,57.775 62.35,56.55 24.325,56.55 22.825,55.05 22.825,51.638 24.125,50.363 27.85,50.375 27.85,45.769 23.675,45.775 22.65,44.75 22.65,42.1 19.825,39.275 11.9,39.275 10.525,40.65 10.522,45.222 11.5,46.2 16.2,46.2 16.75,46.75 16.75,49.65 15.95,50.45 15.95,54.5 16.9,55.45 16.978,59.703 21.275,64 62.375,64
Vbatt+ on L1 (THT) "VBATT+_L01_P007" (solid, pour order 7): 11.225,15.7 12.475,14.45 22.425,14.45 25.525,17.55 25.525,18.85 22.425,21.95 12.475,21.95 11.225,20.7
Vpack on L1 (THT) "VPACK_L01_P005" (solid, pour order 5): 51.375,15.7 50.125,14.45 30.099,14.45 25.825,17.158 25.825,19.249 30.087,21.95 43.65,21.95 44.55,22.85 44.55,25.425 42.555,27.42 12.175,27.42 11.423,28.172 11.423,33.776 12.171,34.525 38.953,34.529 41.375,36.95 41.375,44.15 42.4,45.175 50.125,45.175 51.375,43.925
PGND on L1 (THT) "PGND_L01_P003" (solid, pour order 3): 52.3,48.55 50.125,46.375 42.625,46.375 39.8,49.2 30.618,49.2 28.3,50.875 24.325,50.875 23.325,51.875 23.325,54.8 24.575,56.05 62.35,56.05 63.575,54.825 63.575,49.775 62.35,48.55
PGND on L1 (THT) "PGND_L01_P013" (solid, pour order 13): 33.7,13.95 30.85,13.95 28.025,11.125 28.025,9.275 30.85,6.45 33.7,6.45 35.725,8.475 35.725,11.925
Vbatt- on L1 (THT) "VBATT-_L01_P012" (solid, pour order 12): 12.475,13.95 20.475,13.95 23.3,11.125 23.3,9.275 20.475,6.45 12.475,6.45 11.225,7.7 11.225,12.7
NetL2_2 on L1 (THT) "NETL2_2_L01_P008" (solid, pour order 8): 38.35,23.2 38.35,25.05 36.375,25.05 36.375,23.2
+3V3 on L2 (MIXED) "+3V3_L02_P015" (solid, pour order 15): 100,0 54.775,0 54.775,44.8 78.2,44.8 78.2,65 100,65
PGND on L2 (MIXED) "PGND_L02_P010" (solid, pour order 10): 0,0 53.775,0 53.775,45.8 77.15,45.8 77.15,65 0,65
DGND on L3 (MIXED) "DGND_L03_P017" (solid, pour order 17): 100,0 54.775,0 54.775,44.8 78.2,44.8 78.2,65 100,65
AGND on L3 (MIXED) "AGND_L03_P011" (solid, pour order 11): 31.6,32.7 34.175,35.275 45.957,35.275 48.025,33.266 48.025,23.575 45.625,21.175 33.975,21.175 31.6,23.55

## Keep-outs
L1 (THT):
  region: 100,0 100,65 99.275,65 99.275,0
  rectangle: 0,0 100,0.725
  rectangle: 0,64.275 100,65
  region: 0.725,0 0.725,65 0,65 0,0
L4 (SMD):
  region: 100,0.725 0,0.725 0,0 100,0
  region: 100,65 0,65 0,64.275 100,64.275
  region: 100,0 100,65 99.275,65 99.275,0
  region: 0.725,0 0.725,65 0,65 0,0

## Silkscreen, mask and mechanical layers (free items; w line width, h text height)
Top Overlay:
  text "Bidirectional Power Supply" at 7.979,62.412 h1.52
  text "Rev A" at 9.142,58.563 h2
  text "5V IN" at 1.004,55.775 h1.52 r270
  text "5V OUT" at 63.125,48.384 h1.52
  text "HIGH SIDE" at 1.004,45.7 h1.52 r270
  text "USB IN" at 80.737,45.459 h1.52
  text "USB PWR" at 82.529,43.038 h1.52
  text "+5V" at 59.304,42.804 h1.52
  text "EN +3V3" at 82.579,39.829 h1.52
  text "Vpack" at 59.304,38.887 h1.52
  text "3V3" at 59.554,35.279 h1.52
  text "LOW SIDE" at 1.004,32.981 h1.52 r270
  text "DGND" at 59.404,31.004 h1.52
  text "Vswitch" at 85.479,30.979 h1.52
  text "Read Current" at 77.779,27.404 h1.52
  text "EN Gate" at 59.529,27.004 h1.52
  text "Read Ref" at 84.204,23.529 h1.52
  text "High Gate" at 59.329,23.112 h1.52
  text "BATT IN" at 1.004,20.09 h1.52 r270
  text "Read 5V" at 85.154,19.829 h1.52
  text "Low Gate" at 59.304,19.329 h1.52
  text "Read Batt" at 82.729,16.204 h1.52
  text "RX" at 92.579,12.479 h1.52
  text "TX" at 92.429,8.704 h1.52
  text "BOOT" at 85.65,1.567 h1.52
  text "JTAG" at 68.6,1.517 h1.52
  text "UART" at 77.15,1.492 h1.52
  text "+3V3" at 8.65,1.167 h1.52
  text "VPACK" at 12.33,1.167 h1
  text "+5V" at 15.984,1.167 h1.52
  text "RX" at 19.639,1.167 h1.52
  text "TX" at 23.294,1.167 h1.52
  text "LED1" at 26.948,1.167 h1.52
  text "LED2" at 30.675,1.167 h1.52
  text "BATT ON" at 36.175,1.142 h1.52
  text "BATT OFF" at 43.75,1.142 h1.52
  text "RESET" at 51.325,1.142 h1.52
Bottom Overlay:
  drawing of 13 lines, arcs and shapes, not listed
  text "Made by Daniel Sinko" at 91.546,61.787 h1.52